# Altium PCB TINYMODULE-V3.PcbDoc (part 1 of 2)
Units mil, origin at the board's own origin, x right, y up, seen from the top; angles counter-clockwise.
Board outline 838.58 x 1232.28 mil, 6 copper layers (Top Layer, GND, Mid-Layer 1, Mid-Layer 2, PWR, Bottom Layer), stack 54.97 mil thick; 84 components, 63 nets, 426 pads, 262 vias.
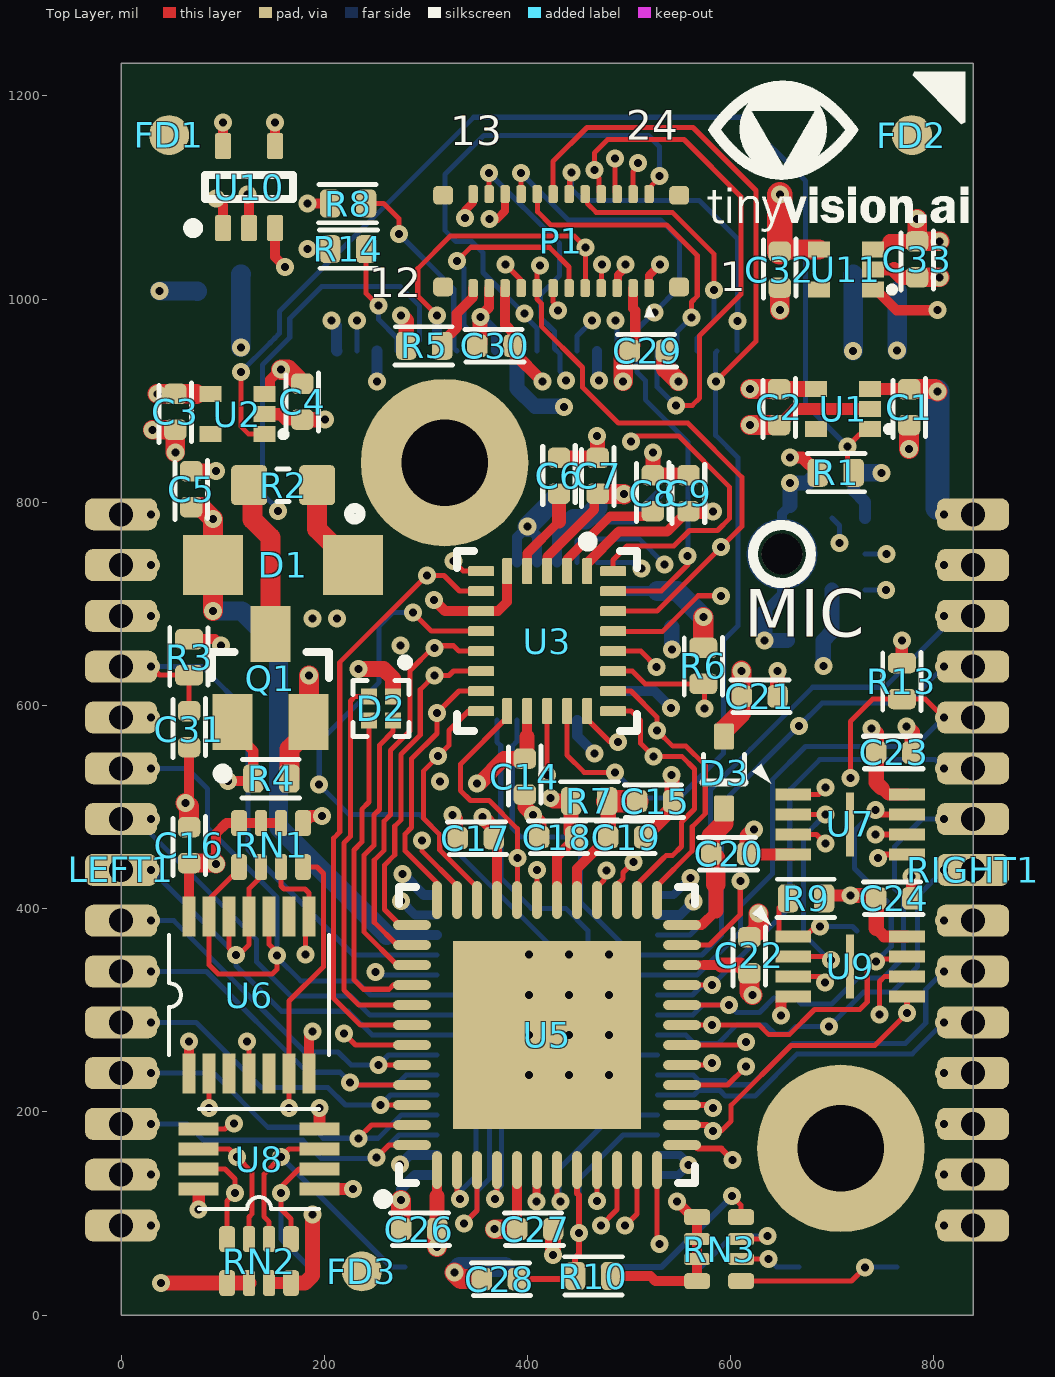
[diagram p0: Top Layer view]
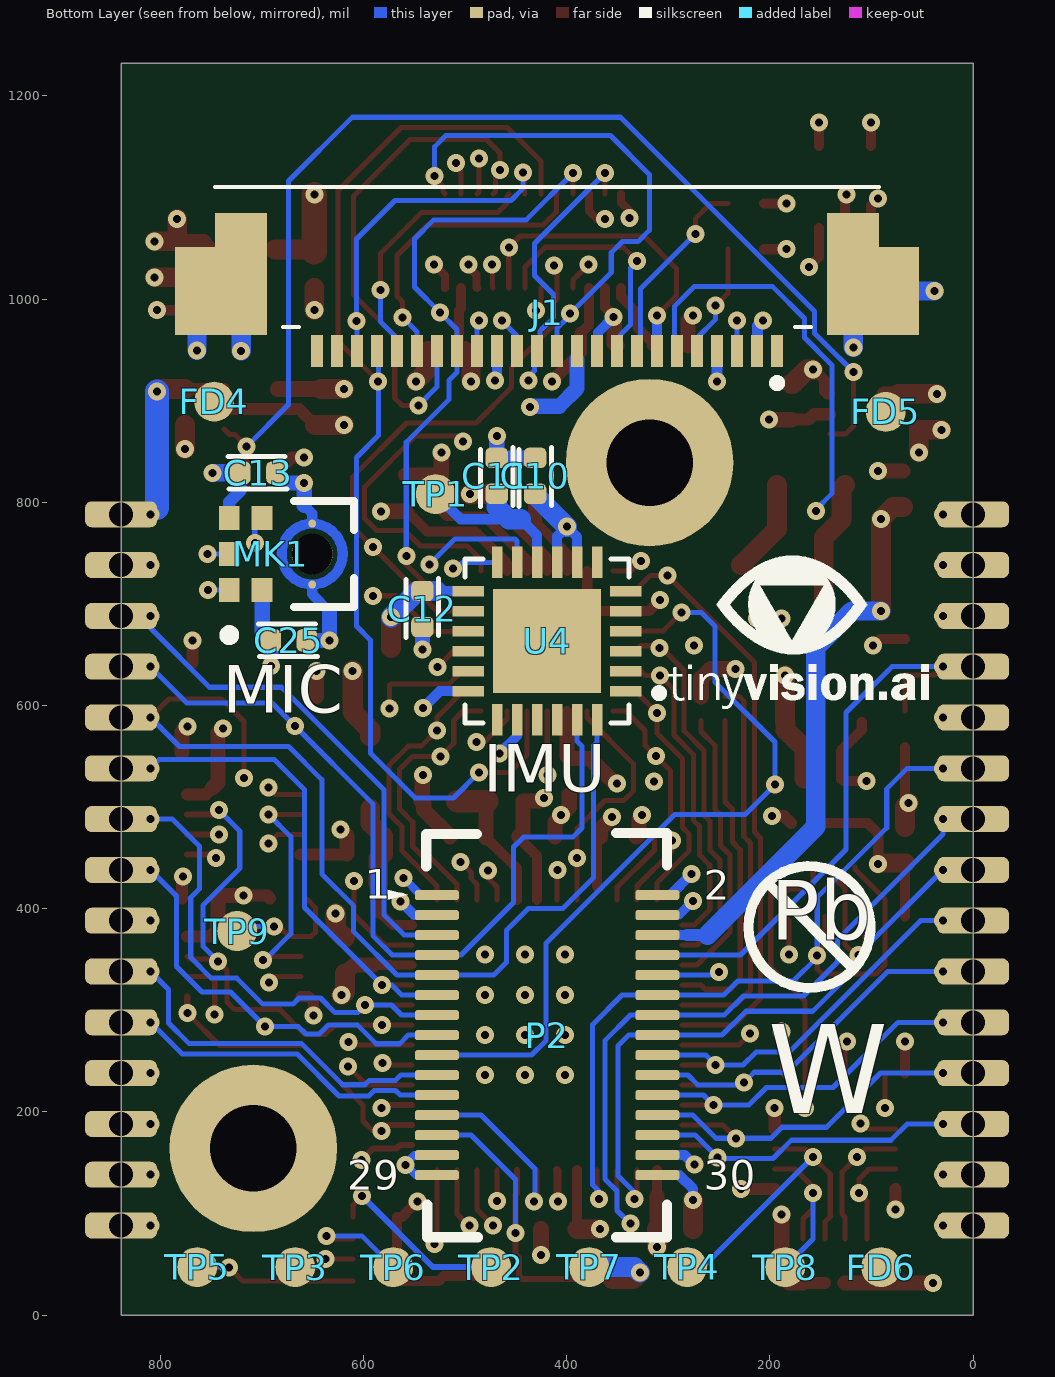
[diagram p1: Bottom Layer view, seen from below]
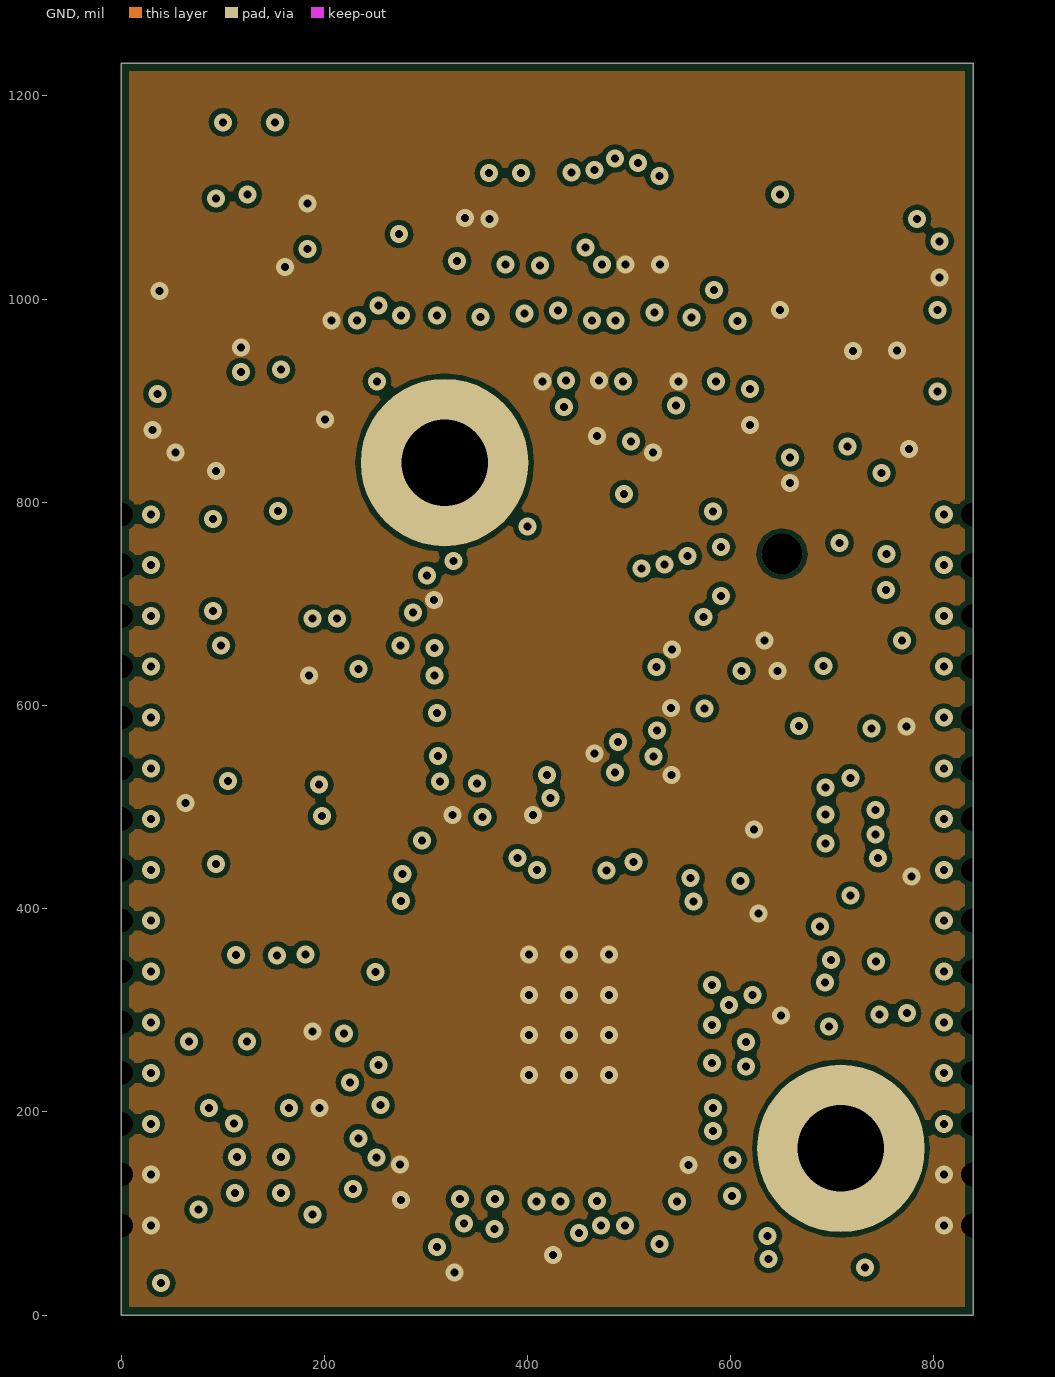
[diagram p2: GND]
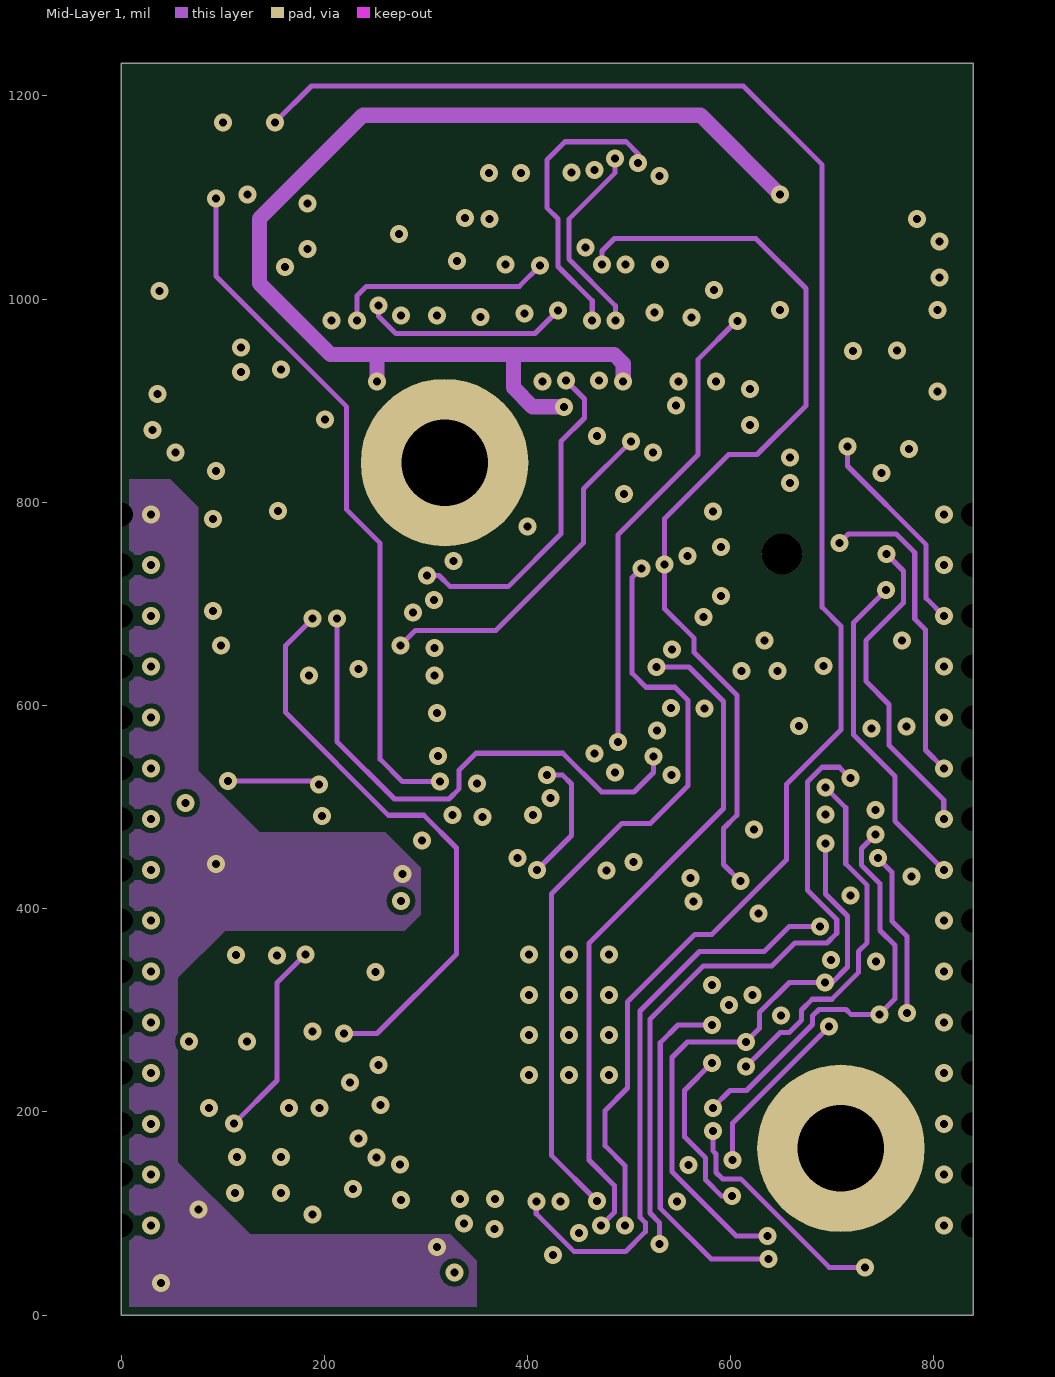
[diagram p3: Mid-Layer 1]
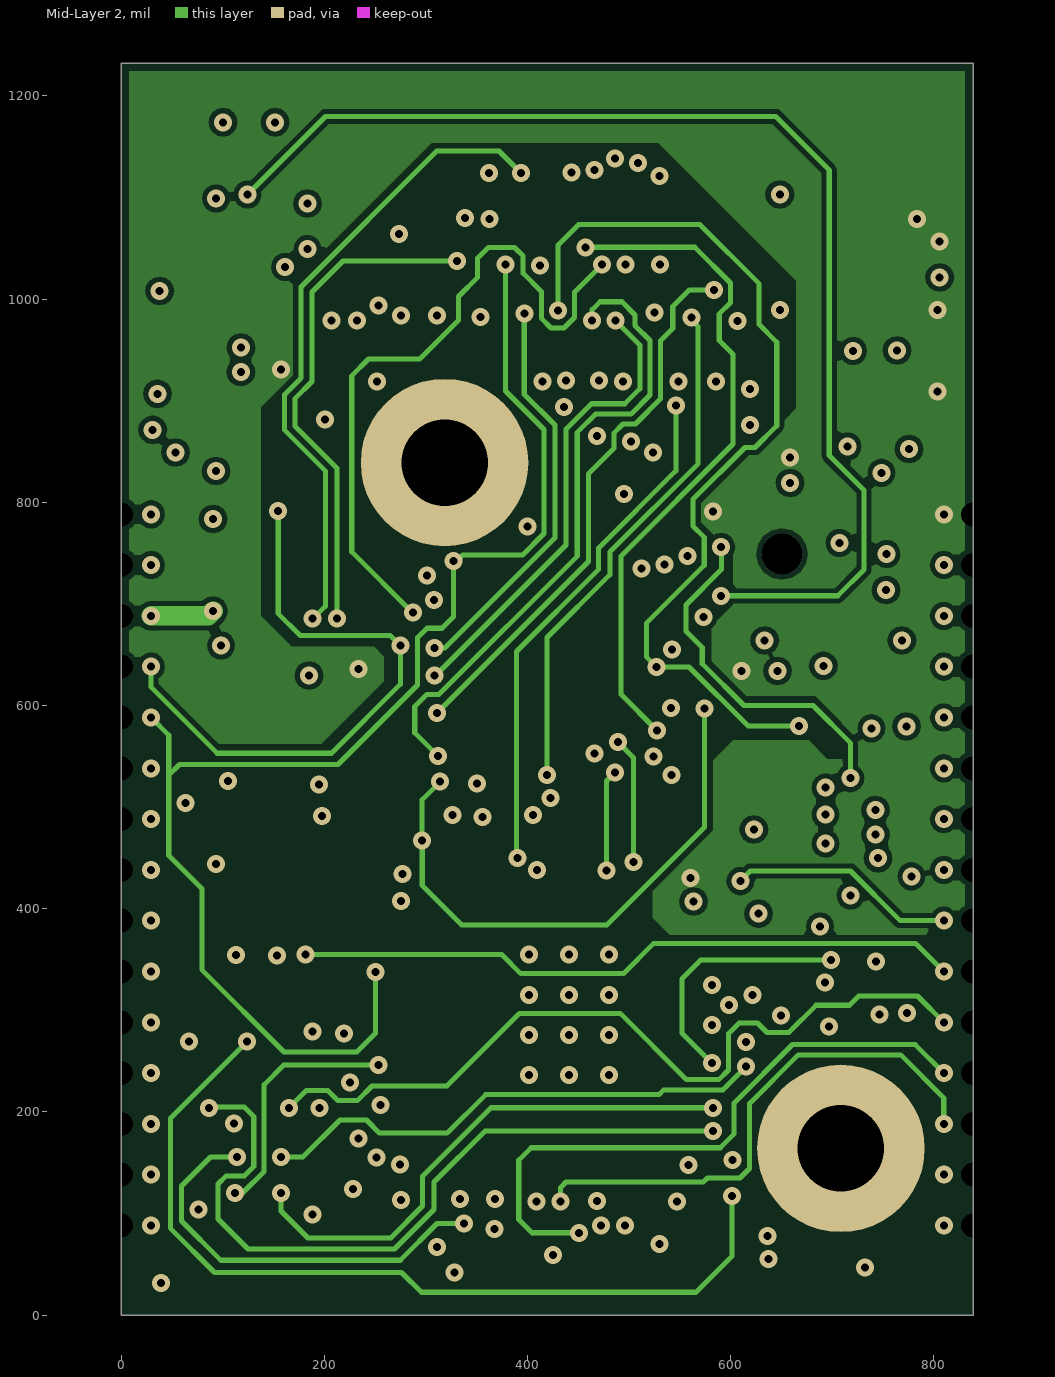
[diagram p4: Mid-Layer 2]
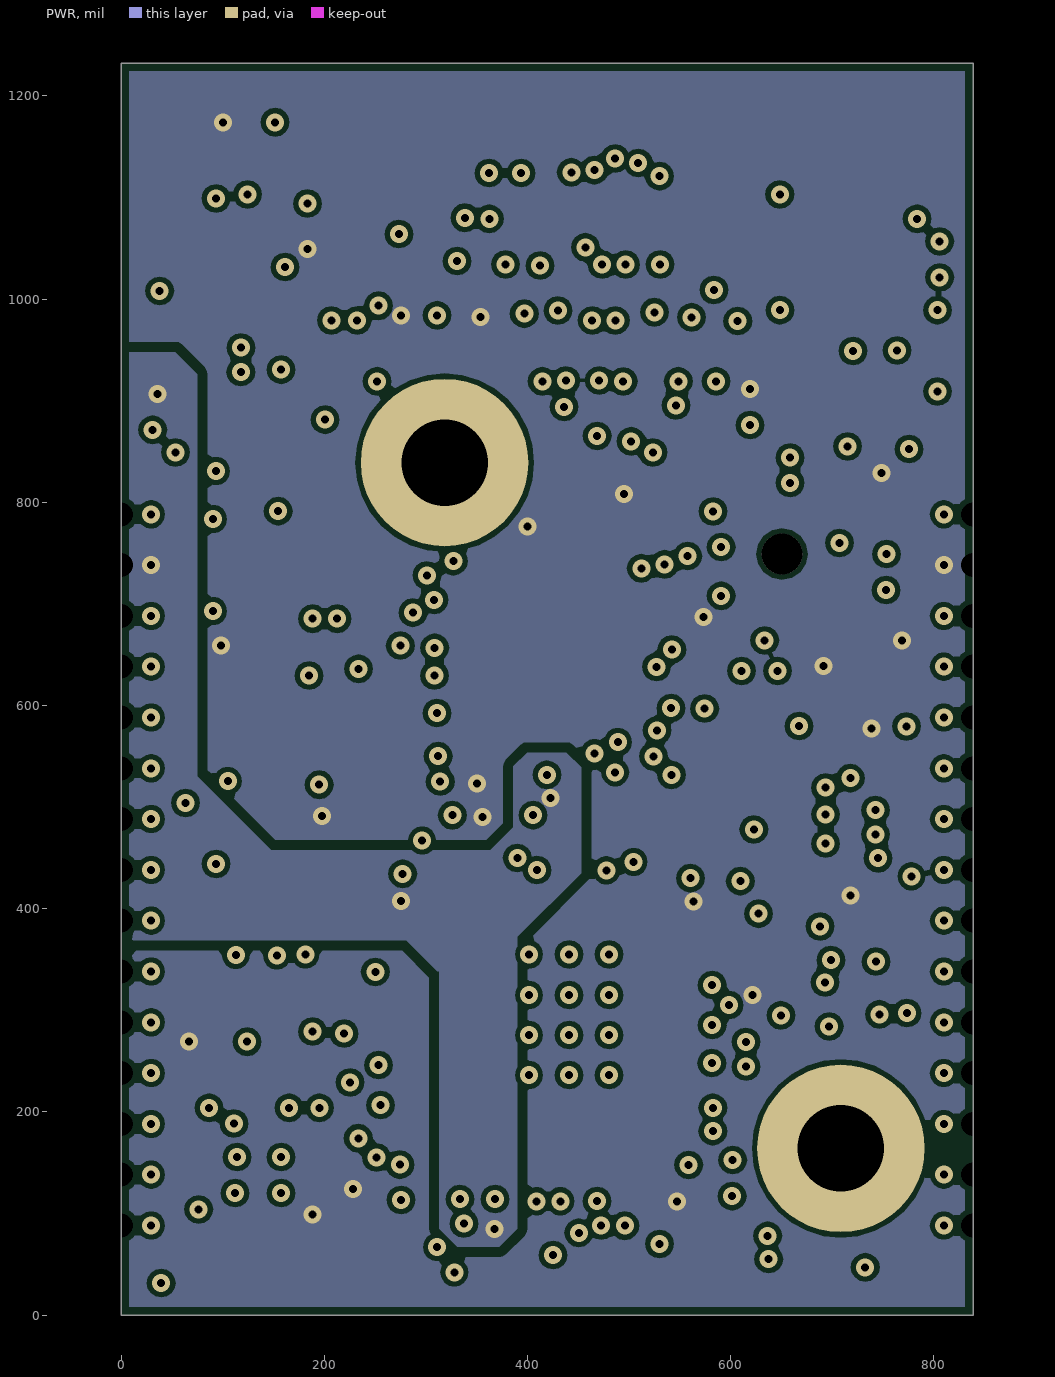
[diagram p5: PWR]

## Layer stack, top to bottom
Top Solder: solder mask 0.4, Solder Resist, Dk 3.5
Top Layer: signal copper 1.4
Dielectric1: core 16.5354, FR-4, Dk 4.8
GND: signal copper 1.4173
Dielectric7: prepreg 5, Dk 4.2
Mid-Layer 1: signal copper 1.4
Dielectric2: core 10, FR-4, Dk 4.2
Mid-Layer 2: signal copper 1.4
Dielectric3: prepreg 5, Dk 4.2
PWR: signal copper 1.4173
Dielectric8: core 10, FR-4, Dk 4.2
Bottom Layer: signal copper 1.4
Bottom Solder: solder mask 0.4, Solder Resist, Dk 3.5

## Board outline
0,0 0,1232.28 838.58,1232.28 838.58,0

## Design rules (kind name [scope] priority, off if disabled: settings)
BoardOutlineClearance [OnCopper] p1: gap=8 ignorepadtopadclearanceinfootprint=FALSE
Clearance [All] p1: gap=5 ignorepadtopadclearanceinfootprint=TRUE except(3.9: SMDPad-SMDPad; 10: Poly-Poly)
MinimumSolderMaskSliver [All] p1: minsoldermaskwidth=1
PlaneClearance [All] p1: clearance=9.84
PlaneConnect [All] p1: planeconnectstyle=Direct reliefexpansion=20 reliefentries=4 reliefconductorwidth=10 reliefairgap=10
PolygonConnect [All] p1: connectstyle=Direct reliefconductorwidth=10 reliefentries=4 polygonreliefangle="90 Angle" airgapwidth=10
RoutingVias [All] p1: holewidth=7.87 width=17.72 viastyle="Through Hole" minholewidth=7.87 minwidth=17.72 maxholewidth=7.87 maxwidth=17.72
ShortCircuit [IsNet] p1: allowed=FALSE
SilkToSilkClearance [All] p1: silktosilkclearance=1
SilkToSolderMaskClearance SilkscreenOverComponentPads [IsPad vs IsText] p1: minsilkscreentomaskgap=1 clearancetoexposedcopper=TRUE
SolderMaskExpansion SolderMaskExpansion_1 [isvia] p1: expansion=3 istentingtop=FALSE soldermaskfromhole=TRUE
SolderMaskExpansion [All] p2: expansion=2.5 istentingtop=FALSE
Width [All] p1: maxlimit=40 minlimit=5 preferedwidth=10
24 further rules are at their usual default settings.

## Components (designator, comment, footprint, x,y, rotation, side; value= is the part's Value field where it differs from the comment)
C1 "4.7uF" CAPC100X50X60L25N 775.58,893.7 r90 top locked
C2 "4.7uF" CAPC100X50X60L25N 647.63,893.7 r90 top locked
C3 "4.7uF" CAPC100X50X60L25N 53.42,889.05 r90 top locked
C4 "4.7uF" CAPC100X50X60L25N 178.42,899.06 r90 top locked
C5 "4.7uF" CAPC100X50X60L25N 68.89,812.99 r90 top locked
C6 "DNI" CAPC100X50X60L25N 431,826 r270 top
C7 "DNI" CAPC100X50X60L25N 469,826 r90 top
C8 "DNI" CAPC100X50X60L25N 523.42,809.06 r270 top locked
C9 "DNI" CAPC100X50X60L25N 558.42,809.06 r90 top locked
C10 "0.1uF" CAPC100X50X60L25N 431,826 r90 bottom
C11 "0.1uF" CAPC100X50X60L25N 469,826 r90 bottom
C12 "0.1uF" CAPC100X50X60L25N 542,695 r270 bottom
C13 "0.1uF" CAPC100X50X60L25N 703.42,829.05 r180 bottom
C14 "DNI" CAPC100X50X60L25N 397.41,530.05 r270 top locked
C15 "4.7uF" CAPC100X50X60L25N 525.59,505.91 r0 top locked
C16 "0.1uF" CAPC100X50X60L25N 66.92,462.6 r90 top locked
C17 "0.1uF" CAPC100X50X60L25N 349.17,469.48 r180 top
C18 "0.1uF" CAPC100X50X60L25N 429.13,470.48 r180 top locked
C19 "0.1uF" CAPC100X50X60L25N 497.12,470.48 r0 top locked
C20 "0.1uF" CAPC100X50X60L25N 598.42,454.06 r0 top locked
C21 "4.7uF" CAPC100X50X60L25N 628.43,609.07 r180 top locked
C22 "0.1uF" CAPC100X50X60L25N 618.43,354.06 r90 top locked
C23 "0.1uF" CAPC100X50X60L25N 760.9,553.75 r0 top locked
C24 "0.1uF" CAPC100X50X60L25N 760.9,410.2 r0 top locked
C25 "470pF" CAPC100X50X60L25N 673.42,664.05 r180 bottom
C26 "0.1uF" CAPC100X50X60L25N 293.31,84.65 r180 top locked
C27 "0.1uF" CAPC100X50X60L25N 407.48,84.65 r0 top locked
C28 "470pF" CAPC100X50X60L25N 372.82,35.44 r180 top locked
C29 "0.1uF" CAPC100X50X60L25N 518.42,949.06 r0 top locked
C30 "0.1uF" CAPC100X50X60L25N 368.43,954.06 r0 top locked
C31 "DNI" CAPC100X50X60L25N 66.92,576.77 r270 top locked
C32 "0.1uF" CAPC100X50X60L25N 648.42,1029.05 r270 top locked
C33 "4.7uF" CAPC100X50X60L25N 783.42,1039.06 r90 top locked
D1 "VSMY12850" vsmy12850 159.45,738.19 r180 top locked
D2 "UHD1110-FKA-CL1A13R3Q1BBQFMF3" UHD1110-FKA 255.9,597.24 r0 top locked
D3 "1N4148WT-7" SOD523F 593.42,534.04 r90 top locked
FD1 "FCM" FID100X200N 47.24,1161.42 r90 top
FD2 "FCM" FID100X200N 778.42,1161.42 r90 top
FD3 "FCM" FID100X200N 237,43 r0 top
FD4 "FCM" FID100X200N 747,899 r90 bottom
FD5 "FCM" FID100X200N 86,889 r90 bottom
FD6 "FCM" FID100X200N 90.55,47.25 r90 bottom
J1 "52437-2491" 524372491 419.29,964.57 r0 bottom locked
LEFT1 "CONN_GENERIC_15" CONN_GENERIC_1.27mm_15cont 0,438.19 r270 top locked value="1.27mm pitch"
MK1 "SPH0645LM4H-B" Knowles_SPH0645LM4H-B_0 678.43,749.06 r90 bottom
P1 "503772-2420" 503772-2410 433.07,1057.09 r180 top locked
P2 "DF23C-30DS-0.5V(51)" DF23C-30DS-0.5V 419.29,275.59 r90 bottom
Q1 "FDV301N" FAIR-SOT23-3_V 147,627 r0 top
R1 "10k" RESC100X50X40L25N 703.43,829.06 r180 top locked
R2 "20" RESC1608X55N 159.45,816.93 r0 top locked
R3 "DNI" RESC100X50X40L25N 66.92,647.64 r270 top locked
R4 "10k" RESC100X50X40L25N 147.83,528.02 r0 top
R5 "0" RESC100X50X40L25N 298.42,954.06 r0 top locked
R6 "10k" RESC100X50X40L25N 573,639 r90 top
R7 "100" RESC100X50X40L25N 460.63,505.91 r180 top locked
R8 "10k" RESC100X50X40L25N 223.43,1094.06 r0 top locked
R9 "10k" RESC100X50X40L25N 674.29,410.2 r0 top locked
R10 "10k" RESC100X50X40L25N 464.57,38.47 r180 top locked
R13 "4.7k" RESC100X50X40L25N 768.42,624.06 r90 top locked
R14 "4.7k" RESC100X50X40L25N 223.43,1049.07 r180 top locked
RIGHT1 "CONN_GENERIC_15" CONN_GENERIC_1.27mm_15cont 838.58,438.19 r270 top locked value="1.27mm pitch"
RN1 "10K" RESCAXS50P100X200X45-8NA 147.64,462.6 r90 top locked
RN2 "10K" RESCAXS50P100X200X45-8NA 135.83,53.15 r270 top locked
RN3 "10K" RESCAXS50P100X200X45-8NA 588.58,64.96 r180 top locked
TP1 "TEST POINT" TP-R20 529,808 r90 bottom
TP2 "TEST POINT" TP-R20 474.4,47.25 r90 bottom
TP3 "TEST POINT" TP-R20 667.32,47.25 r90 bottom
TP4 "TEST POINT" TP-R20 281.49,47.25 r90 bottom
TP5 "TEST POINT" TP-R20 763.77,47.25 r90 bottom
TP6 "TEST POINT" TP-R20 570.86,47.25 r90 bottom
TP7 "TEST POINT" TP-R20 377.95,47.25 r90 bottom
TP8 "TEST POINT" TP-R20 185.03,47.25 r90 bottom
TP9 "TEST POINT" TP-R20 724.42,378.02 r90 bottom
U1 "TCR2LE18ESV" SOT-553 710.63,891.73 r90 top locked
U2 "TCR2LE12ESV" SOT-553 114.45,886.73 r90 top locked
U3 "PAJ6100U6" lga26 419.29,663.39 r270 top
U4 "ICM-20689" QFN50P400X400X95-25N 419.29,663.39 r0 bottom
U5 "ICE40UP5K-SG48I" SLAB-QFN48-7X7-MD 419.29,275.59 r90 top locked
U6 "TC7MPB9327FK(EL)" VSSOP14-P-0030-0.50 125.99,314.96 r90 top locked
U7 "SST26WF080BT-104I/NP" SON50P300X200X60-9N 717.6,482.88 r0 top locked
U8 "TC7WPB9307FK,LF(CT" SSOP8-P-0.50A 135.82,153.55 r180 top locked
U9 "APS1604M-SQR-ZR" SON50P300X200X60-9N 717.6,343.27 r0 top locked
U10 "SN74AUC1G125DCKR" DCK0005A_L 125.98,1110.24 r90 top locked
U11 "TCR2LE28ESV" SOT-553 713.43,1029.06 r90 top locked

## Footprints (in the part's own frame and the unit in brackets; to place one, negate y for a bottom-side part, rotate by r counter-clockwise, add the part's x,y. Pads: shape width x height; smd on the part's side, far side on the other; paste and mask are expansions set on the pad)
503772-2410 [mm]
  rrect50% 0.24x0.45 smd: 1(-2.2,1.175) 2(-1.8,1.175) 3(-1.4,1.175) 4(-1,1.175) 5(-0.6,1.175) 6(-0.2,1.175) 7(0.2,1.175) 8(0.6,1.175) 9(1,1.175) 10(1.4,1.175) 11(1.8,1.175) 12(2.2,1.175) 13(2.2,-1.175) 14(1.8,-1.175) 15(1.4,-1.175) 16(1,-1.175) 17(0.6,-1.175) 18(0.2,-1.175) 19(-0.2,-1.175) 20(-0.6,-1.175) 21(-1,-1.175) 22(-1.4,-1.175) 23(-1.8,-1.175) 24(-2.2,-1.175)
  rrect50% 0.5x0.47 smd: FN1(-2.95,1.145) FN2(-2.95,-1.145) FN3(2.95,-1.145) FN4(2.95,1.145)
  silkscreen extent -2.34,1.6 -2.08,1.9, body extent -3.6,-1.25 3.6,1.25, height 0.66
524372491 [mm]
  rect 0.3x0.8 smd: 1(-5.75,0.4) 2(-5.25,0.4) 3(-4.75,0.4) 4(-4.25,0.4) 5(-3.75,0.4) 6(-3.25,0.4) 7(-2.75,0.4) 8(-2.25,0.4) 9(-1.75,0.4) 10(-1.25,0.4) 11(-0.75,0.4) 12(-0.25,0.4) 13(0.25,0.4) 14(0.75,0.4) 15(1.25,0.4) 16(1.75,0.4) 17(2.25,0.4) 18(2.75,0.4) 19(3.25,0.4) 20(3.75,0.4) 21(4.25,0.4) 22(4.75,0.4) 23(5.25,0.4) 24(5.75,0.4)
  rect 1.3x3.05 smd: MPA1(-7.65,-1.525) MPA2(7.65,-1.525)
  rect 1.1x2.2 smd: MPB1(-8.75,-1.1) MPB2(8.75,-1.1)
  silkscreen extent -8.3,-3.7 8.3,1.3, body extent -9.3,-6.3 9.3,0.77, height 2.1
CAPC100X50X60L25N [mm]
  rrect50% 0.51x0.56 smd mask+0.05: 1(-0.45,0) 2(0.45,0)
  silkscreen extent -0.76,-0.41 0.71,0.41, body extent -0.5,-0.26 0.5,0.27, height 0.36
CONN_GENERIC_1.27mm_15cont [mm]
  rrect50% 0.8x1.8 / inner rrect50% 0x0 / far side rrect50% 0.65x1.8 hole 0.6: 1(-8.89,0) 2(-7.62,0) 3(-6.35,0) 4(-5.08,0) 5(-3.81,0) 6(-2.54,0) 7(-1.27,0) 8(0,0) 9(1.27,0) 10(2.54,0) 11(3.81,0) 12(5.08,0) 13(6.35,0) 14(7.62,0) 15(8.89,0)
DCK0005A_L [mm] "SOT23, 5-Leads, Body 2.15x1.4mm, Pitch 0.65mm, IPC High Density"
  rrect25% 0.65x0.4 smd: 1(-1.025,0.65) 2(-1.025,0) 3(-1.025,-0.65) 4(1.025,-0.65) 5(1.025,0.65)
  silkscreen extent -1.15,-1.1 0.3,1.52, body extent -1.14,-1 1.14,1, height 0.94
DF23C-30DS-0.5V [mm]
  rrect50% 0.25x1.1 smd mask+0.055: 1(3.5,2.755) 2(3.5,-2.755) 3(3,2.755) 4(3,-2.755) 5(2.5,2.755) 6(2.5,-2.755) 7(2,2.755) 8(2,-2.755) 9(1.5,2.755) 10(1.5,-2.755) 11(1,2.755) 12(1,-2.755) 13(0.5,2.755) 14(0.5,-2.755) 15(0,2.755) 16(0,-2.755) 17(-0.5,2.755) 18(-0.5,-2.755) 19(-1,2.755) 20(-1,-2.755) 21(-1.5,2.755) 22(-1.5,-2.755) 23(-2,2.755) 24(-2,-2.755) 25(-2.5,2.755) 26(-2.5,-2.755) 27(-3,2.755) 28(-3,-2.755) 29(-3.5,2.755) 30(-3.5,-2.755)
  silkscreen extent -5.05,-3 5.05,3.99, body extent -5.05,-3 5.05,3, height 1.51
FAIR-SOT23-3_V [mm] "SOT23, 3-Leads, Body 2.92x1.3mm, Pitch 0.95mm"
  rect 1x1.4 smd: 1(-0.95,-1.1) 2(0.95,-1.1) 3(0,1.1)
  silkscreen extent -1.46,-2.51 1.46,0.65, body extent -1.5,-1.25 1.5,1.25, height 1.1
FID100X200N [mm]
  round 1 smd paste-0.51 mask+0.5: 1(0,0)
Knowles_SPH0645LM4H-B_0 [mm]
  rect 0.6x0.522 smd paste+0 mask+0: 1(-0.9,1.364) 2(-0.9,0.542) 4(0.9,0.542) 5(0.9,1.364) 6(0,1.364)
  round 0.2 smd: 3(0.762,-0.71) 3_1(-0.762,-0.71)
  round 1.016 hole 1.016 unplated mask+0: ""(0,-0.71)
  Top Layer lines w0.254: -0.762,-0.71 cw(c0,-0.71) 0,0.052 cw(c0,-0.71) 0.762,-0.71 cw(c0,-0.71) -0.762,-0.71
  silkscreen extent -2.15,-1.75 1.33,1.49, body extent -1.32,-1.75 1.33,1.75, height 0.98
lga26 [mm]
  rrect25% 0.65x0.25 smd: 1(-1.75,1) 2(-1.75,0.5) 3(-1.75,0) 4(-1.75,-0.5) 5(-1.75,-1) 14(1.75,-1) 15(1.75,-0.5) 16(1.75,0) 17(1.75,0.5) 18(1.75,1)
  rrect25% 0.25x0.65 smd: 6(-1.75,-1.65) 7(-1.25,-1.65) 8(-0.75,-1.65) 9(-0.25,-1.65) 10(0.25,-1.65) 11(0.75,-1.65) 12(1.25,-1.65) 13(1.75,-1.65) 19(1.75,1.65) 20(1.25,1.65) 21(0.75,1.65) 22(0.25,1.65) 23(-0.25,1.65) 24(-0.75,1.65) 25(-1.25,1.65) 26(-1.75,1.65)